# KiCad board uf2-batch-flasher.kicad_pcb (continued)
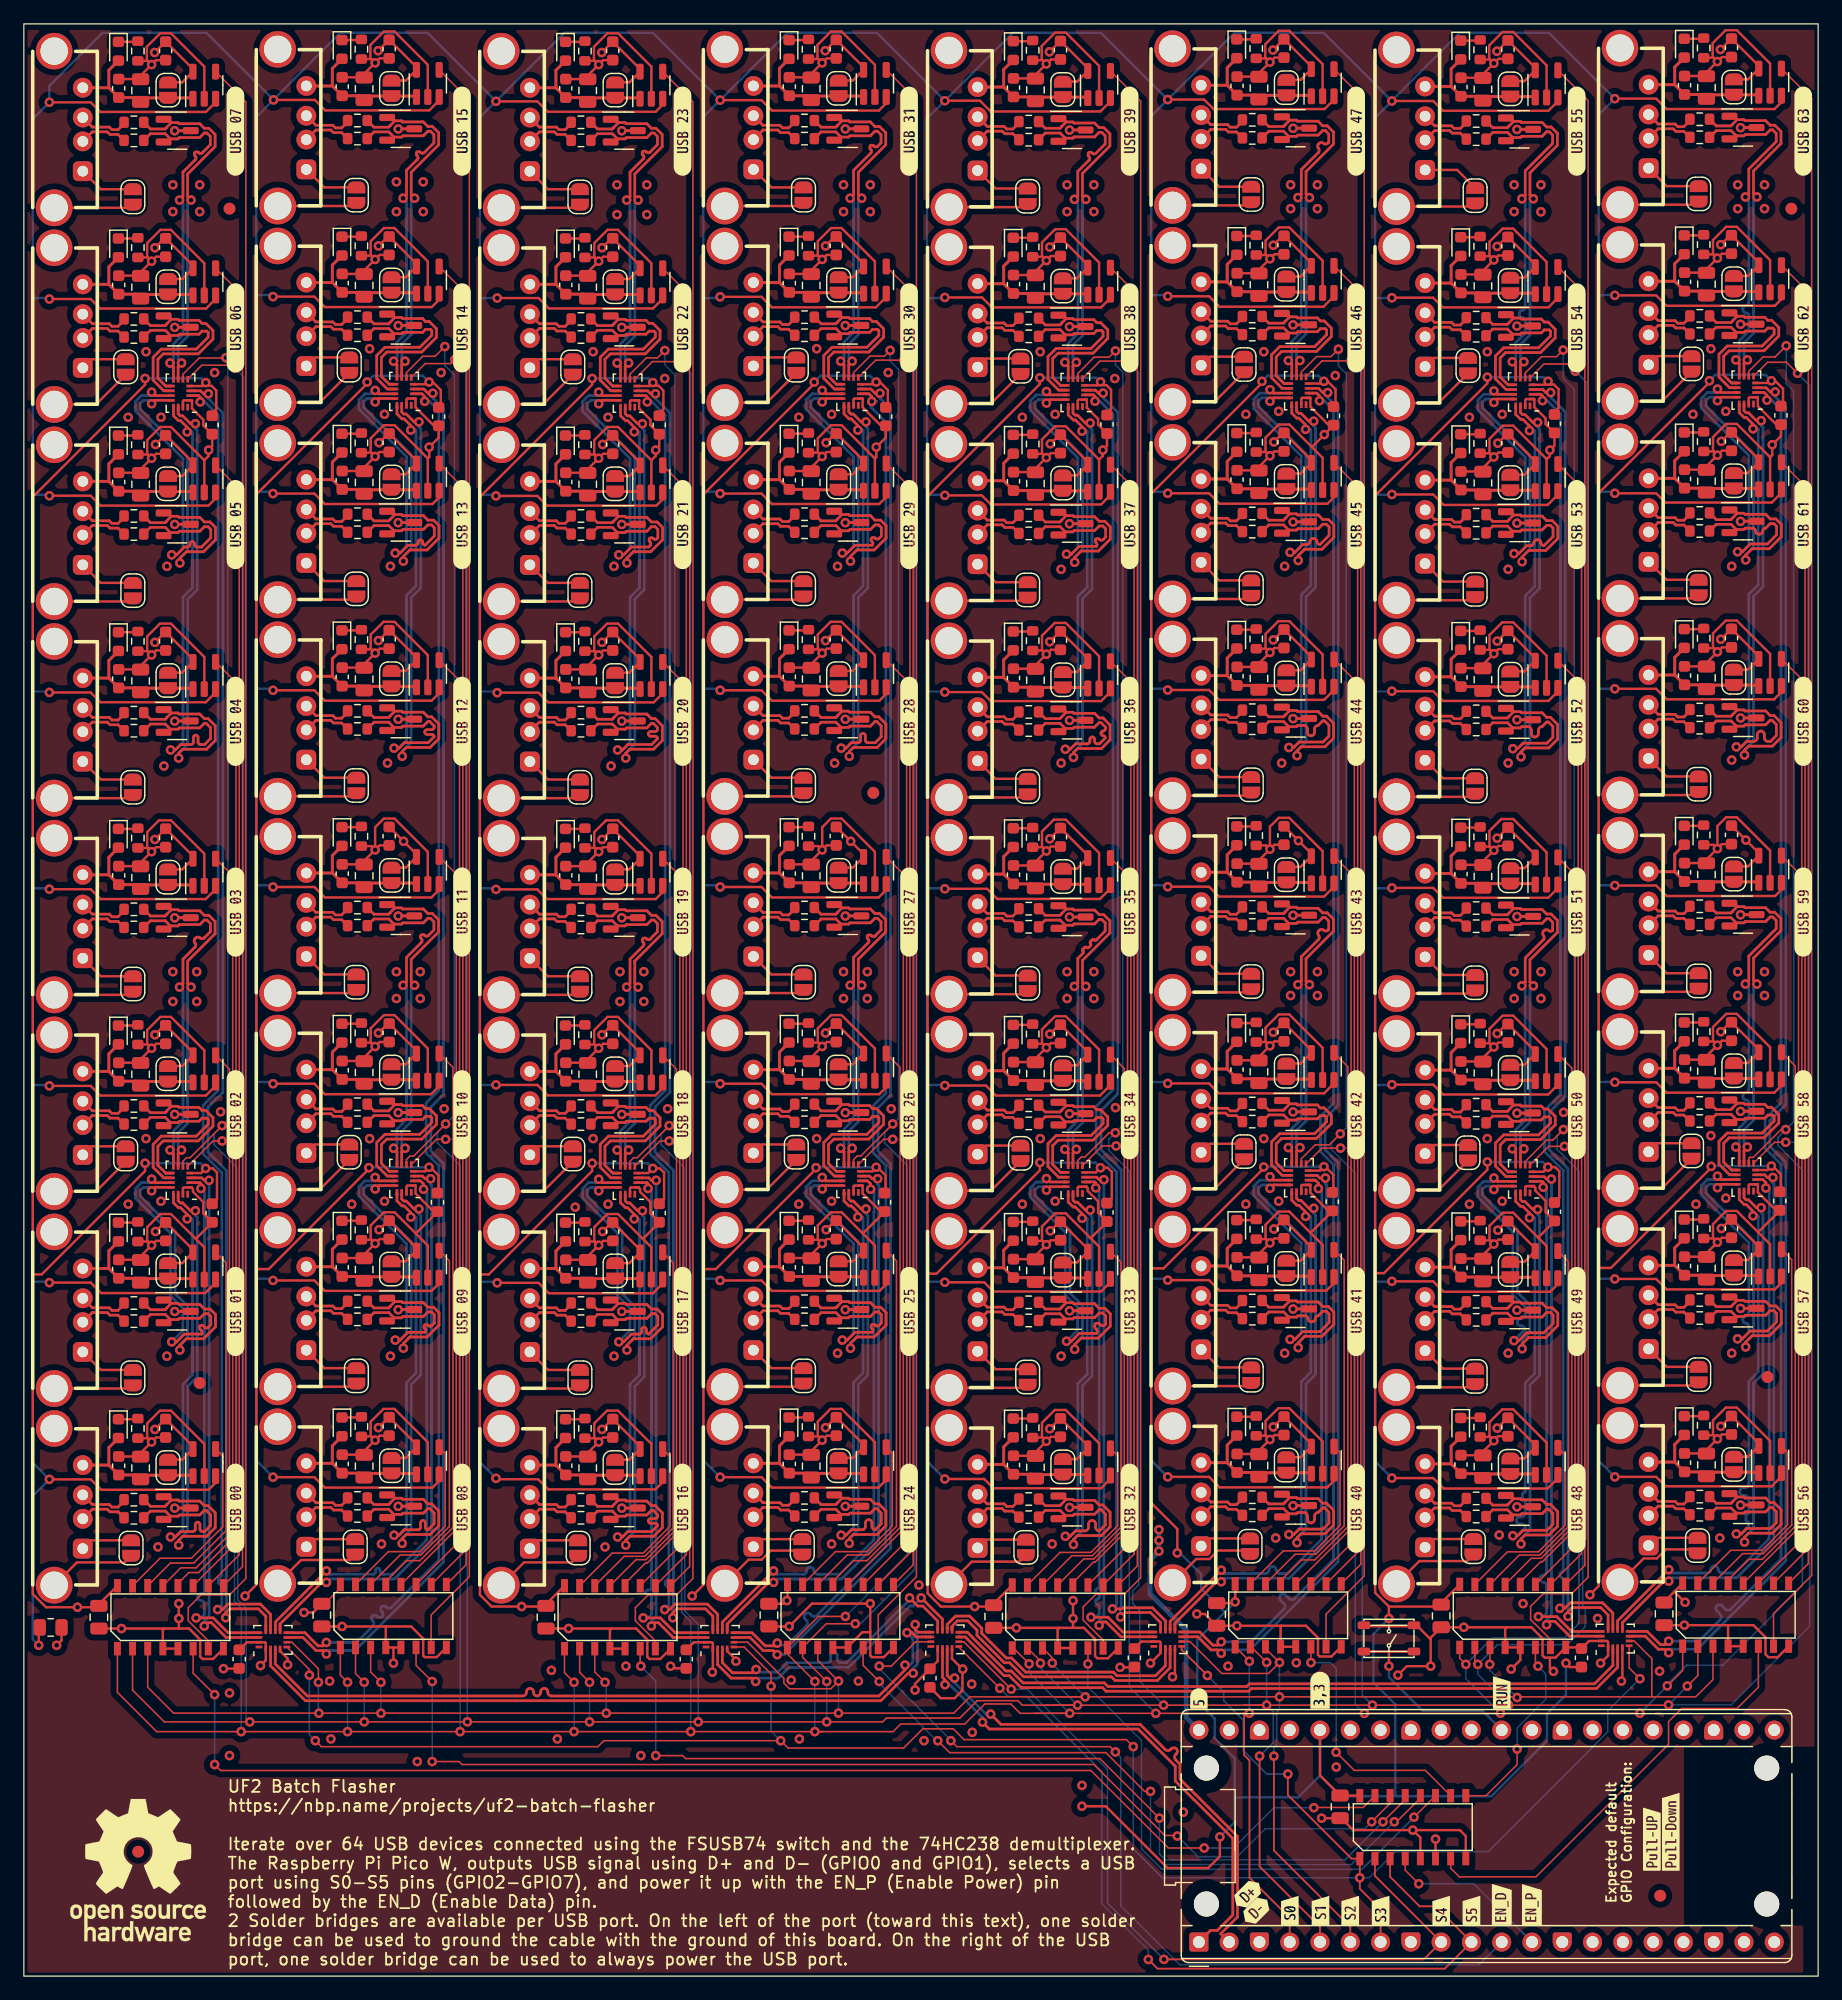
[diagram p0: board, top side]
## Routing (per net, layer and track width the routed paths; a pad name or vN(x,y) marks a point on that pad's centre or on a via; arc(x,y) is an arc through that point) (continued)
/16usb-ports0/4usb-port0/D0+: length 43.7
  Top w0.23: v1(13.7,63.52) 13.7,63.9 13.14,64.46 12.96,64.46 12.55,64.87 12.55,65.42 12.54,65.42 U301.13 ; v1(12.3,36.83) 12.7,36.83 13.16,37.29 14.18,37.29 arc(14.32,37.35) 14.38,37.49 14.38,37.88 arc(14.44,38.02) 14.58,38.08 arc(14.71,38.02) 14.77,37.88 14.77,37.49 arc(14.83,37.35) 14.97,37.29 15.16,37.29 15.66,37.79 15.66,38.7 15.29,39.07 15.14,39.07 14.75,38.68 13.04,38.68 12.93,38.57 12.29,38.57 ; 12.29,38.57 12.03,38.31 D402.2 ; 12.29,38.57 11.86,39.01 10.62,39.01 R403.2
  Bottom w0.23: v1(12.3,36.83) 12.7,36.83 13.35,37.47 13.35,49.64 14.15,50.44 14.15,63.48 14.1,63.52 v1(13.7,63.52)
/16usb-ports0/4usb-port0/D0-: length 43.9
  Top w0.23: v1(14.38,64.2) 13.98,64.2 13.32,64.86 13.12,64.86 12.94,65.03 U301.14 ; 12.37,39.93 12.93,39.93 13.02,39.84 14.75,39.84 15.14,39.46 15.46,39.46 16.06,38.86 16.06,37.63 15.32,36.9 13.32,36.9 12.98,36.55 v1(12.98,36.15) ; 12.37,39.93 12.09,40.21 D402.1 ; 12.37,39.93 11.97,39.54 11.97,39.52 11.85,39.4 10.62,39.4 R404.2
  Bottom w0.23: v1(14.38,64.2) 14.38,63.8 14.54,63.64 14.54,50.28 13.74,49.48 13.74,37.31 12.98,36.55 v1(12.98,36.15)
/16usb-ports0/4usb-port0/D1+: length 30.7
  Top w0.23: 12.29,55.07 11.86,55.5 10.62,55.5 R503.2 ; 12.29,55.07 12.93,55.07 13.04,55.18 14.76,55.18 15.14,55.56 15.45,55.56 15.68,55.33 15.68,54.63 15.47,54.41 arc(15.33,54.35) 15.19,54.41 15.06,54.54 arc(14.92,54.6) 14.78,54.54 arc(14.72,54.4) 14.78,54.26 14.91,54.13 arc(14.96,53.99) 14.91,53.85 13.46,53.85 12.8,53.2 v1(12.4,53.2) ; 12.29,55.07 12.03,54.81 D502.2 ; v1(10.72,66.84) 11,66.55 12.37,66.55 U301.11
  Bottom w0.23: v1(10.72,66.84) 10.43,66.55 9.86,66.55 9.36,66.05 9.36,65.26 12.29,62.33 12.29,57.07 13.33,56.03 13.33,54.13 v1(12.4,53.2)
/16usb-ports0/4usb-port0/D1-: length 31
  Top w0.23: R504.2 10.62,55.9 11.85,55.9 11.97,56.02 11.97,56.03 12.37,56.43 ; v1(10.72,65.87) 11,66.16 12.37,66.16 U301.12 ; 12.37,56.43 12.09,56.71 D502.1 ; 12.37,56.43 12.93,56.43 13.02,56.34 14.76,56.34 15.14,55.96 15.62,55.96 16.07,55.5 16.07,54.46 15.07,53.46 13.62,53.46 13.08,52.92 v1(13.08,52.52)
  Bottom w0.23: v1(10.72,65.87) 10.43,66.16 10.02,66.16 9.76,65.89 9.76,65.42 12.69,62.49 12.69,57.23 13.74,56.18 13.74,53.57 13.08,52.92 v1(13.08,52.52)
/16usb-ports0/4usb-port0/D2+: length 16.2
  Top w0.23: 12.29,71.6 11.86,72.03 10.62,72.03 R603.2 ; 12.29,71.6 12.93,71.6 13.04,71.71 14.69,71.71 14.94,71.96 15.36,71.96 15.47,71.85 15.47,71.46 14.46,70.45 11.53,70.45 10.85,69.77 10.85,67.85 11.73,66.96 11.95,66.96 11.95,66.96 U301.10 ; 12.29,71.6 12.03,71.34 D602.2
/16usb-ports0/4usb-port0/D2-: length 16.5
  Top w0.23: R604.2 10.62,72.42 11.85,72.42 11.97,72.55 11.97,72.56 12.37,72.96 ; 12.37,72.96 12.09,73.24 D602.1 ; 12.37,72.96 12.93,72.96 13.02,72.87 14.69,72.87 14.94,72.62 15.26,72.62 15.86,72.01 15.86,71.3 14.62,70.06 11.7,70.06 11.24,69.6 11.24,68.01 11.9,67.35 11.95,67.35 11.95,67.36 U301.9
/16usb-ports0/4usb-port0/D3+: length 29.7
  Top w0.23: U301.8 12.55,67.93 12.55,69 v1(12.26,69.29) ; D702.2 12.03,87.83 12.29,88.09 ; 12.29,88.09 12.93,88.09 13.04,88.2 14.75,88.2 15.14,88.58 15.35,88.58 15.65,88.29 15.65,87.6 15.13,87.08 arc(14.95,87.01) 14.78,87.08 arc(14.6,87.16) 14.42,87.08 14.35,87.01 arc(14.28,86.84) 14.35,86.66 arc(14.42,86.48) 14.35,86.31 13.35,85.3 13.35,83.24 v1(13.06,82.96) ; 12.29,88.09 11.86,88.52 10.62,88.52 R703.2
  Bottom w0.23: v1(12.26,69.29) 12.55,69.57 12.55,70.89 13.35,71.69 13.35,82.67 v1(13.06,82.96)
/16usb-ports0/4usb-port0/D3-: length 29.9
  Top w0.23: 12.37,89.45 12.93,89.45 13.02,89.36 14.75,89.36 15.14,88.98 15.52,88.98 16.04,88.45 16.04,87.44 13.74,85.14 13.74,83.24 v1(14.03,82.96) ; 12.37,89.45 12.09,89.73 D702.1 ; 12.37,89.45 11.97,89.05 11.97,89.04 11.85,88.92 10.62,88.92 R704.2 ; v1(13.23,69.29) 12.94,69 12.94,67.93 U301.7
  Bottom w0.23: v1(13.23,69.29) 12.94,69.57 12.94,70.73 13.74,71.53 13.74,82.67 v1(14.03,82.96)
/16usb-ports0/4usb-port0/D+: length 44.5
  Top w0.23: v1(14.85,66.07) 14.85,66.47 14.76,66.56 14.34,66.56 14.33,66.56 U301.2 ; U201.13 19.3,28.81 19.3,28.8 17.13,28.8 15.88,30.05 v1(14.45,30.05)
  Bottom w0.23: v1(14.45,30.05) 14.85,30.05 15.14,30.33 15.14,31.23 arc(15.06,31.42) 14.87,31.5 14.85,31.5 arc(14.66,31.59) 14.58,31.78 arc(14.66,31.97) 14.85,32.06 14.87,32.06 arc(15.06,32.14) 15.14,32.33 15.14,65.78 v1(14.85,66.07)
/16usb-ports0/4usb-port0/D-: length 44.5
  Top w0.23: U201.14 19.3,28.41 19.3,28.41 16.96,28.41 15.72,29.65 15.42,29.65 v1(15.13,29.37) ; U301.3 14.33,66.96 14.34,66.95 14.93,66.95 15.13,66.75 v1(15.54,66.75)
  Bottom w0.23: v1(15.13,29.37) 15.13,29.77 15.54,30.17 v1(15.54,66.75)
/16usb-ports0/4usb-port0/usb-port0/Conn_D+: length 4.1
  Top w0.23: R403.1 7.9,38.95 7.22,38.95 7,39.17 5.75,39.17 J401.3
/16usb-ports0/4usb-port0/usb-port0/Conn_D-: length 4.2
  Top w0.23: R404.1 8.41,39.85 7.9,39.34 7.38,39.34 7.17,39.56 5.75,39.56 J401.2
/16usb-ports0/4usb-port0/usb-port1/Conn_D+: length 4.1
  Top w0.23: J501.3 5.75,55.66 7,55.66 7.22,55.44 7.9,55.44 R503.1
/16usb-ports0/4usb-port0/usb-port1/Conn_D-: length 4.2
  Top w0.23: R504.1 8.41,56.34 7.9,55.84 7.38,55.84 7.17,56.05 5.75,56.05 J501.2
/16usb-ports0/4usb-port0/usb-port2/Conn_D+: length 4.1
  Top w0.23: R603.1 7.9,71.97 7.22,71.97 7,72.19 5.75,72.19 J601.3
/16usb-ports0/4usb-port0/usb-port2/Conn_D-: length 4.2
  Top w0.23: J601.2 5.75,72.58 7.17,72.58 7.38,72.37 7.9,72.37 8.41,72.87 R604.1
/16usb-ports0/4usb-port0/usb-port3/Conn_D+: length 4.1
  Top w0.23: J701.3 5.75,88.68 7,88.68 7.22,88.46 7.9,88.46 R703.1
/16usb-ports0/4usb-port0/usb-port3/Conn_D-: length 4.2
  Top w0.23: R704.1 8.41,89.36 7.9,88.86 7.38,88.86 7.17,89.07 5.75,89.07 J701.2
/16usb-ports0/4usb-port1/D0+: length 43.7
  Top w0.23: 12.29,104.59 12.03,104.33 D1002.2 ; 12.29,104.59 12.93,104.59 13.04,104.7 14.75,104.7 15.14,105.08 15.29,105.08 15.66,104.71 15.66,103.8 15.16,103.3 14.81,103.3 arc(14.67,103.36) 14.61,103.5 14.61,103.89 arc(14.55,104.03) 14.41,104.09 arc(14.28,104.03) 14.22,103.89 14.22,103.5 arc(14.16,103.36) 14.02,103.3 13.16,103.3 12.7,102.85 v1(12.3,102.85) ; 12.29,104.59 11.86,105.02 10.62,105.02 R1003.2 ; v1(13.7,129.53) 13.7,129.91 13.14,130.47 12.96,130.47 12.55,130.89 12.55,131.43 12.54,131.43 U801.13
  Bottom w0.23: v1(13.7,129.53) 14.1,129.53 14.15,129.49 14.15,116.45 13.35,115.65 13.35,103.49 12.7,102.85 v1(12.3,102.85)
/16usb-ports0/4usb-port1/D0-: length 43.9
  Top w0.23: R1004.2 10.62,105.42 11.85,105.42 11.97,105.54 11.97,105.55 12.37,105.95 ; U801.14 12.94,131.05 13.12,130.87 13.32,130.87 13.98,130.21 v1(14.38,130.21) ; 12.37,105.95 12.09,106.23 D1002.1 ; 12.37,105.95 12.93,105.95 13.02,105.86 14.75,105.86 15.14,105.48 15.46,105.48 16.06,104.88 16.06,103.64 15.32,102.91 13.32,102.91 12.98,102.57 v1(12.98,102.17)
  Bottom w0.23: v1(14.38,130.21) 14.38,129.81 14.54,129.65 14.54,116.29 13.74,115.49 13.74,103.33 12.98,102.57 v1(12.98,102.17)
/16usb-ports0/4usb-port1/D1+: length 30.7
  Top w0.23: v1(10.72,132.85) 11,132.57 12.37,132.57 U801.11 ; D902.2 12.03,120.82 12.29,121.08 ; 12.29,121.08 11.86,121.52 10.62,121.52 R903.2 ; 12.29,121.08 12.93,121.08 13.04,121.19 14.76,121.19 15.14,121.58 15.45,121.58 15.68,121.35 15.68,120.64 14.91,119.87 14.52,119.87 arc(14.38,119.93) 14.32,120.07 14.32,120.12 arc(14.26,120.26) 14.12,120.32 arc(13.99,120.26) 13.93,120.12 13.93,120.07 arc(13.87,119.93) 13.73,119.87 13.46,119.87 12.8,119.21 v1(12.4,119.21)
  Bottom w0.23: v1(10.72,132.85) 10.43,132.57 9.86,132.57 9.36,132.07 9.36,131.27 13.34,127.29 13.34,119.75 12.8,119.21 v1(12.4,119.21)
/16usb-ports0/4usb-port1/D1-: length 31
  Top w0.23: U801.12 12.37,132.17 11,132.17 v1(10.72,131.89) ; 12.37,122.44 11.97,122.04 11.97,122.03 11.85,121.91 10.62,121.91 R904.2 ; 12.37,122.44 12.93,122.44 13.02,122.35 14.76,122.35 15.14,121.97 15.62,121.97 16.07,121.51 16.07,120.48 15.07,119.47 13.62,119.47 13.08,118.93 v1(13.08,118.53) ; 12.37,122.44 12.09,122.72 D902.1
  Bottom w0.23: v1(13.08,118.53) 13.08,118.93 13.74,119.59 13.74,127.46 9.76,131.44 9.76,131.9 10.02,132.17 10.43,132.17 v1(10.72,131.89)
/16usb-ports0/4usb-port1/D2+: length 16.2
  Top w0.23: 12.29,137.61 11.86,138.04 10.62,138.04 R1103.2 ; 12.29,137.61 12.03,137.35 D1102.2 ; 12.29,137.61 12.93,137.61 13.04,137.72 14.69,137.72 14.94,137.97 15.36,137.97 15.47,137.86 15.47,137.47 14.46,136.47 11.53,136.47 10.85,135.78 10.85,133.86 11.73,132.97 11.95,132.97 11.95,132.97 U801.10
/16usb-ports0/4usb-port1/D2-: length 16.5
  Top w0.23: D1102.1 12.09,139.25 12.37,138.97 ; R1104.2 10.62,138.44 11.85,138.44 11.97,138.56 11.97,138.57 12.37,138.97 ; 12.37,138.97 12.93,138.97 13.02,138.88 14.69,138.88 14.94,138.63 15.26,138.63 15.86,138.03 15.86,137.31 14.62,136.07 11.7,136.07 11.24,135.62 11.24,134.03 11.9,133.37 11.95,133.37 11.95,133.37 U801.9
/16usb-ports0/4usb-port1/D3+: length 29.7
  Top w0.23: v1(13.06,148.97) 13.35,149.26 13.35,151.32 14.39,152.37 arc(14.45,152.5) 14.39,152.64 14.35,152.69 arc(14.3,152.83) 14.35,152.97 arc(14.49,153.02) 14.63,152.97 14.67,152.92 arc(14.81,152.87) 14.95,152.92 15.65,153.62 15.65,154.3 15.35,154.6 15.14,154.6 14.75,154.21 13.04,154.21 12.93,154.1 12.29,154.1 ; 12.29,154.1 12.03,153.84 D1202.2 ; 12.29,154.1 11.86,154.54 10.62,154.54 R1203.2 ; v1(12.26,135.3) 12.55,135.02 12.55,133.94 U801.8
  Bottom w0.23: v1(12.26,135.3) 12.55,135.59 12.55,136.9 13.35,137.7 13.35,148.69 v1(13.06,148.97)
/16usb-ports0/4usb-port1/D3-: length 29.9
  Top w0.23: D1202.1 12.09,155.74 12.37,155.46 ; 12.37,155.46 12.93,155.46 13.02,155.37 14.75,155.37 15.14,154.99 15.52,154.99 16.04,154.47 16.04,153.45 13.74,151.15 13.74,149.26 v1(14.03,148.97) ; 12.37,155.46 11.97,155.06 11.97,155.05 11.85,154.93 10.62,154.93 R1204.2 ; U801.7 12.94,133.94 12.94,135.02 v1(13.23,135.3)
  Bottom w0.23: v1(13.23,135.3) 12.94,135.59 12.94,136.74 13.74,137.54 13.74,148.69 v1(14.03,148.97)
/16usb-ports0/4usb-port1/D+: length 111.4
  Top w0.23: v1(14.79,132.04) 14.79,132.44 14.66,132.57 14.34,132.57 14.33,132.57 U801.2 ; U201.11 20.69,29.4 20.69,29.4 20.69,30.35 19.84,31.2 17.11,31.2 16.65,30.75 v1(16.25,30.75)
  Bottom w0.23: v1(16.25,30.75) 16.59,31.09 16.59,32.73 16.32,33 16.32,33.35 16.59,33.62 16.59,67.41 15.04,68.96 15.04,73.04 16.3,74.3 16.3,130.94 15.2,132.04 v1(14.79,132.04)
/16usb-ports0/4usb-port1/D-: length 111.4
  Top w0.23: U201.12 20.29,29.4 20.3,29.4 20.3,30.19 19.67,30.81 17.27,30.81 16.93,30.47 v1(16.93,30.07) ; v1(15.47,132.72) 15.07,132.72 14.83,132.97 14.34,132.97 14.33,132.97 U801.3
  Bottom w0.23: v1(15.47,132.72) 15.47,132.32 16.69,131.1 16.69,74.13 15.44,72.88 15.44,69.12 16.99,67.57 16.99,30.93 16.93,30.87 v1(16.93,30.07)
/16usb-ports0/4usb-port1/usb-port0/Conn_D+: length 4.1
  Top w0.23: J1001.3 5.75,105.18 7,105.18 7.22,104.96 7.9,104.96 R1003.1
/16usb-ports0/4usb-port1/usb-port0/Conn_D-: length 4.2
  Top w0.23: R1004.1 8.41,105.86 7.9,105.36 7.38,105.36 7.17,105.57 5.75,105.57 J1001.2
/16usb-ports0/4usb-port1/usb-port1/Conn_D+: length 4.1
  Top w0.23: J901.3 5.75,121.67 7,121.67 7.22,121.46 7.9,121.46 R903.1
/16usb-ports0/4usb-port1/usb-port1/Conn_D-: length 4.2
  Top w0.23: J901.2 5.75,122.07 7.17,122.07 7.38,121.85 7.9,121.85 8.41,122.36 R904.1
/16usb-ports0/4usb-port1/usb-port2/Conn_D+: length 4.1
  Top w0.23: R1103.1 7.9,137.98 7.22,137.98 7,138.2 5.75,138.2 J1101.3
/16usb-ports0/4usb-port1/usb-port2/Conn_D-: length 4.2
  Top w0.23: R1104.1 8.41,138.88 7.9,138.38 7.38,138.38 7.17,138.6 5.75,138.6 J1101.2
/16usb-ports0/4usb-port1/usb-port3/Conn_D+: length 4.1
  Top w0.23: J1201.3 5.75,154.69 7,154.69 7.22,154.48 7.9,154.48 R1203.1
/16usb-ports0/4usb-port1/usb-port3/Conn_D-: length 4.2
  Top w0.23: J1201.2 5.75,155.09 7.17,155.09 7.38,154.87 7.9,154.87 8.41,155.38 R1204.1
/16usb-ports0/4usb-port2/D0+: length 43.7
  Top w0.23: U1301.13 31.29,65.57 31.3,65.57 31.3,65.02 31.71,64.61 31.89,64.61 32.45,64.05 v1(32.45,63.67) ; v1(31.05,36.98) 31.45,36.98 31.91,37.44 33.08,37.44 arc(33.22,37.5) 33.28,37.64 33.28,38.03 arc(33.34,38.17) 33.48,38.23 arc(33.61,38.17) 33.67,38.03 33.67,37.64 arc(33.73,37.5) 33.87,37.44 33.91,37.44 34.41,37.94 34.41,38.85 34.04,39.22 33.89,39.22 33.5,38.83 31.79,38.83 31.68,38.72 31.04,38.72 ; R1603.2 29.37,39.16 30.61,39.16 31.04,38.72 ; 31.04,38.72 30.78,38.46 D1602.2
  Bottom w0.23: v1(31.05,36.98) 31.45,36.98 32.1,37.62 32.1,49.79 32.9,50.59 32.9,63.63 32.85,63.67 v1(32.45,63.67)
/16usb-ports0/4usb-port2/D0-: length 43.9
  Top w0.23: 31.12,40.08 30.72,39.69 30.72,39.67 30.6,39.55 29.37,39.55 R1604.2 ; 31.12,40.08 31.68,40.08 31.77,39.99 33.5,39.99 33.89,39.61 34.21,39.61 34.81,39.01 34.81,37.78 34.07,37.05 32.07,37.05 31.73,36.7 v1(31.73,36.3) ; 31.12,40.08 30.84,40.36 D1602.1 ; v1(33.13,64.35) 32.73,64.35 32.07,65.01 31.87,65.01 31.69,65.18 U1301.14
  Bottom w0.23: v1(31.73,36.3) 31.73,36.7 32.49,37.46 32.49,49.63 33.29,50.43 33.29,63.79 33.13,63.95 v1(33.13,64.35)
/16usb-ports0/4usb-port2/D1+: length 30.7
  Top w0.23: D1702.2 30.78,54.96 31.04,55.22 ; 31.04,55.22 30.61,55.65 29.37,55.65 R1703.2 ; 31.04,55.22 31.68,55.22 31.79,55.33 33.51,55.33 33.89,55.71 34.2,55.71 34.43,55.48 34.43,54.78 34.22,54.56 arc(34.08,54.5) 33.94,54.56 33.89,54.6 arc(33.76,54.66) 33.62,54.6 arc(33.56,54.46) 33.62,54.32 33.66,54.28 arc(33.71,54.14) 33.66,54 32.21,54 31.55,53.35 v1(31.15,53.35) ; U1301.11 31.12,66.7 29.75,66.7 v1(29.47,66.99)
  Bottom w0.23: v1(29.47,66.99) 29.18,66.7 28.61,66.7 28.11,66.2 28.11,65.41 32.09,61.43 32.09,53.89 31.55,53.35 v1(31.15,53.35)
/16usb-ports0/4usb-port2/D1-: length 31
  Top w0.23: v1(31.83,52.67) 31.83,53.07 32.37,53.61 33.82,53.61 34.82,54.61 34.82,55.65 34.37,56.11 33.89,56.11 33.51,56.49 31.77,56.49 31.68,56.58 31.12,56.58 ; 31.12,56.58 30.72,56.18 30.72,56.17 30.6,56.05 29.37,56.05 R1704.2 ; 31.12,56.58 30.84,56.86 D1702.1 ; v1(29.47,66.02) 29.75,66.31 31.12,66.31 U1301.12
  Bottom w0.23: v1(29.47,66.02) 29.18,66.31 28.77,66.31 28.51,66.04 28.51,65.57 32.49,61.59 32.49,53.72 31.83,53.07 v1(31.83,52.67)
/16usb-ports0/4usb-port2/D2+: length 16.2
  Top w0.23: D1402.2 30.78,71.49 31.04,71.75 ; U1301.10 30.7,67.11 30.7,67.11 30.48,67.11 29.6,68 29.6,69.92 30.28,70.6 33.21,70.6 34.22,71.61 34.22,72 34.11,72.11 33.69,72.11 33.44,71.86 31.79,71.86 31.68,71.75 31.04,71.75 ; 31.04,71.75 30.61,72.18 29.37,72.18 R1403.2
/16usb-ports0/4usb-port2/D2-: length 16.5
  Top w0.23: 31.12,73.11 31.68,73.11 31.77,73.02 33.44,73.02 33.69,72.77 34.01,72.77 34.61,72.16 34.61,71.45 33.37,70.21 30.45,70.21 29.99,69.75 29.99,68.16 30.65,67.5 30.7,67.5 30.7,67.51 U1301.9 ; 31.12,73.11 30.84,73.39 D1402.1 ; 31.12,73.11 30.72,72.71 30.72,72.7 30.6,72.57 29.37,72.57 R1404.2
/16usb-ports0/4usb-port2/D3+: length 29.7
  Top w0.23: R1503.2 29.37,88.67 30.61,88.67 31.04,88.24 ; 31.04,88.24 31.68,88.24 31.79,88.35 33.5,88.35 33.89,88.73 34.1,88.73 34.4,88.44 34.4,87.75 33.92,87.27 arc(33.78,87.21) 33.64,87.27 33.59,87.31 arc(33.46,87.37) 33.32,87.31 arc(33.26,87.17) 33.32,87.03 33.36,86.99 arc(33.41,86.85) 33.36,86.71 32.1,85.45 32.1,83.39 v1(31.81,83.11) ; 31.04,88.24 30.78,87.98 D1502.2 ; v1(31.01,69.44) 31.3,69.15 31.3,68.08 U1301.8
  Bottom w0.23: v1(31.81,83.11) 32.1,82.82 32.1,71.84 31.3,71.04 31.3,69.72 v1(31.01,69.44)
/16usb-ports0/4usb-port2/D3-: length 29.9
  Top w0.23: D1502.1 30.84,89.88 31.12,89.6 ; v1(32.78,83.11) 32.49,83.39 32.49,85.29 34.79,87.59 34.79,88.6 34.27,89.13 33.89,89.13 33.5,89.51 31.77,89.51 31.68,89.6 31.12,89.6 ; 31.12,89.6 30.72,89.2 30.72,89.19 30.6,89.07 29.37,89.07 R1504.2 ; v1(31.98,69.44) 31.69,69.15 31.69,68.08 U1301.7
  Bottom w0.23: v1(31.98,69.44) 31.69,69.72 31.69,70.88 32.49,71.68 32.49,82.82 v1(32.78,83.11)
/16usb-ports0/4usb-port2/D+: length 48.2
  Top w0.23: v1(25.38,33.99) 21.1,29.71 21.1,29.4 21.09,29.4 U201.10 ; v1(33.53,66) 33.53,66.45 33.27,66.71 33.09,66.71 33.08,66.71 U1301.2
  Bottom w0.23: v1(25.38,33.99) 25.67,33.71 29.29,33.71 arc(29.43,33.76) 29.49,33.9 29.49,34.02 arc(29.55,34.16) 29.69,34.22 arc(29.82,34.16) 29.88,34.02 29.88,33.9 arc(29.94,33.76) 30.08,33.71 30.91,33.71 33.8,36.59 33.8,64.05 33.81,64.07 33.81,65.72 v1(33.53,66)
/16usb-ports0/4usb-port2/D-: length 48.2
  Top w0.23: v1(34.12,66.88) 33.65,66.88 33.43,67.1 33.09,67.1 33.08,67.11 U1301.3 ; U201.9 21.49,29.4 21.49,29.4 21.49,29.54 24.97,33.03 v1(25.38,33.03)
  Bottom w0.23: v1(34.12,66.88) 34.12,66.42 34.21,66.33 34.21,63.9 34.19,63.88 34.19,36.43 31.08,33.31 25.67,33.31 v1(25.38,33.03)
/16usb-ports0/4usb-port2/usb-port0/Conn_D+: length 4.1
  Top w0.23: R1603.1 26.65,39.1 25.97,39.1 25.75,39.32 24.5,39.32 J1601.3
/16usb-ports0/4usb-port2/usb-port0/Conn_D-: length 4.2
  Top w0.23: J1601.2 24.5,39.71 25.92,39.71 26.13,39.49 26.65,39.49 27.16,40 R1604.1
/16usb-ports0/4usb-port2/usb-port1/Conn_D+: length 4.1
  Top w0.23: R1703.1 26.65,55.59 25.97,55.59 25.75,55.81 24.5,55.81 J1701.3
/16usb-ports0/4usb-port2/usb-port1/Conn_D-: length 4.2
  Top w0.23: R1704.1 27.16,56.49 26.65,55.99 26.13,55.99 25.92,56.2 24.5,56.2 J1701.2
/16usb-ports0/4usb-port2/usb-port2/Conn_D+: length 4.1
  Top w0.23: J1401.3 24.5,72.34 25.75,72.34 25.97,72.12 26.65,72.12 R1403.1
/16usb-ports0/4usb-port2/usb-port2/Conn_D-: length 4.2
  Top w0.23: R1404.1 27.16,73.02 26.65,72.52 26.13,72.52 25.92,72.73 24.5,72.73 J1401.2
/16usb-ports0/4usb-port2/usb-port3/Conn_D+: length 4.1
  Top w0.23: J1501.3 24.5,88.83 25.75,88.83 25.97,88.61 26.65,88.61 R1503.1
/16usb-ports0/4usb-port2/usb-port3/Conn_D-: length 4.2
  Top w0.23: R1504.1 27.16,89.51 26.65,89.01 26.13,89.01 25.92,89.22 24.5,89.22 J1501.2
/16usb-ports0/4usb-port3/D0+: length 43.7
  Top w0.23: v1(31.05,103) 31.45,103 31.91,103.45 33.91,103.45 34.41,103.95 arc(34.35,104.09) 34.21,104.15 33.82,104.15 arc(33.68,104.21) 33.62,104.35 arc(33.68,104.49) 33.82,104.55 34.21,104.55 arc(34.35,104.6) 34.41,104.74 34.41,104.86 34.04,105.23 33.89,105.23 33.5,104.85 31.79,104.85 31.68,104.74 31.04,104.74 ; U1801.13 31.29,131.58 31.3,131.58 31.3,131.04 31.71,130.62 31.89,130.62 32.45,130.06 v1(32.45,129.68) ; 31.04,104.74 30.78,104.48 D2202.2 ; 31.04,104.74 30.61,105.17 29.37,105.17 R2203.2
  Bottom w0.23: v1(31.05,103) 31.45,103 32.1,103.64 32.1,115.8 32.9,116.6 32.9,129.64 32.85,129.68 v1(32.45,129.68)
/16usb-ports0/4usb-port3/D0-: length 43.9
  Top w0.23: U1801.14 31.69,131.2 31.87,131.02 32.07,131.02 32.73,130.36 v1(33.13,130.36) ; D2202.1 30.84,106.38 31.12,106.1 ; 31.12,106.1 30.72,105.7 30.72,105.69 30.6,105.57 29.37,105.57 R2204.2 ; 31.12,106.1 31.68,106.1 31.77,106.01 33.5,106.01 33.89,105.63 34.21,105.63 34.81,105.03 34.81,103.79 34.07,103.06 32.07,103.06 31.73,102.72 v1(31.73,102.32)
  Bottom w0.23: v1(33.13,130.36) 33.13,129.96 33.29,129.8 33.29,116.44 32.49,115.64 32.49,103.48 31.73,102.72 v1(31.73,102.32)
/16usb-ports0/4usb-port3/D1+: length 30.7
  Top w0.23: 31.04,121.23 30.78,120.97 D2102.2 ; 31.04,121.23 31.68,121.23 31.79,121.34 33.51,121.34 33.89,121.73 34.2,121.73 34.43,121.5 34.43,120.79 33.66,120.02 arc(33.52,120.08) 33.46,120.22 33.46,120.27 arc(33.4,120.41) 33.26,120.47 arc(33.12,120.41) 33.06,120.27 33.06,120.22 arc(33.01,120.08) 32.87,120.02 32.21,120.02 31.55,119.36 v1(31.15,119.36) ; 31.04,121.23 30.61,121.67 29.37,121.67 R2103.2 ; v1(29.47,133) 29.75,132.72 31.12,132.72 U1801.11
  Bottom w0.23: v1(29.47,133) 29.18,132.72 28.61,132.72 28.11,132.22 28.11,131.42 32.09,127.44 32.09,119.9 31.55,119.36 v1(31.15,119.36)
/16usb-ports0/4usb-port3/D1-: length 31
  Top w0.23: D2102.1 30.84,122.87 31.12,122.59 ; 31.12,122.59 31.68,122.59 31.77,122.5 33.51,122.5 33.89,122.12 34.37,122.12 34.82,121.66 34.82,120.63 33.82,119.62 32.37,119.62 31.83,119.08 v1(31.83,118.68) ; 31.12,122.59 30.72,122.19 30.72,122.18 30.6,122.06 29.37,122.06 R2104.2 ; v1(29.47,132.04) 29.75,132.32 31.12,132.32 U1801.12
  Bottom w0.23: v1(31.83,118.68) 31.83,119.08 32.49,119.74 32.49,127.61 28.51,131.59 28.51,132.05 28.77,132.32 29.18,132.32 v1(29.47,132.04)
/16usb-ports0/4usb-port3/D2+: length 16.2
  Top w0.23: D2002.2 30.78,137.5 31.04,137.76 ; 31.04,137.76 31.68,137.76 31.79,137.87 33.44,137.87 33.69,138.12 34.11,138.12 34.22,138.01 34.22,137.62 33.21,136.62 30.28,136.62 29.6,135.93 29.6,134.01 30.48,133.12 30.7,133.12 30.7,133.12 U1801.10 ; 31.04,137.76 30.61,138.19 29.37,138.19 R2003.2
/16usb-ports0/4usb-port3/D2-: length 16.5
  Top w0.23: R2004.2 29.37,138.59 30.6,138.59 30.72,138.71 30.72,138.72 31.12,139.12 ; U1801.9 30.7,133.52 30.7,133.52 30.65,133.52 29.99,134.18 29.99,135.77 30.45,136.22 33.37,136.22 34.61,137.46 34.61,138.18 34.01,138.78 33.69,138.78 33.44,139.03 31.77,139.03 31.68,139.12 31.12,139.12 ; 31.12,139.12 30.84,139.4 D2002.1
/16usb-ports0/4usb-port3/D3+: length 29.7
  Top w0.23: v1(31.01,135.45) 31.3,135.17 31.3,134.09 U1801.8 ; 31.04,154.25 31.68,154.25 31.79,154.36 33.5,154.36 33.89,154.75 34.1,154.75 34.4,154.45 34.4,153.77 33.57,152.95 arc(33.44,152.89) 33.3,152.95 33.25,152.99 arc(33.11,153.04) 32.97,152.99 arc(32.92,152.85) 32.97,152.71 33.02,152.67 arc(33.07,152.53) 33.02,152.39 32.1,151.47 32.1,149.41 v1(31.81,149.12) ; 31.04,154.25 30.78,153.99 D1902.2 ; 31.04,154.25 30.61,154.69 29.37,154.69 R1903.2
  Bottom w0.23: v1(31.81,149.12) 32.1,148.84 32.1,137.85 31.3,137.05 31.3,135.74 v1(31.01,135.45)
/16usb-ports0/4usb-port3/D3-: length 29.9
  Top w0.23: D1902.1 30.84,155.89 31.12,155.61 ; R1904.2 29.37,155.08 30.6,155.08 30.72,155.2 30.72,155.21 31.12,155.61 ; v1(32.78,149.12) 32.49,149.41 32.49,151.3 34.79,153.6 34.79,154.62 34.27,155.14 33.89,155.14 33.5,155.52 31.77,155.52 31.68,155.61 31.12,155.61 ; U1801.7 31.69,134.09 31.69,135.17 v1(31.98,135.45)
  Bottom w0.23: v1(32.78,149.12) 32.49,148.84 32.49,137.69 31.69,136.89 31.69,135.74 v1(31.98,135.45)
/16usb-ports0/4usb-port3/D+: length 118
  Top w0.23: U201.8 22.48,28.81 22.49,28.8 23.57,28.8 24.67,27.7 25.09,27.7 v1(25.38,27.99) ; v1(33.62,132.08) 33.62,132.49 33.38,132.72 33.09,132.72 33.08,132.72 U1801.2
  Bottom w0.23: v1(33.62,132.08) 34.02,132.08 34.8,131.31 34.8,74.3 33.74,73.24 33.74,69.05 34.8,68 34.8,34.89 31.28,31.37 30.83,30.92 arc(30.64,30.84) 30.44,30.92 30.39,30.98 arc(30.2,31.06) 30.01,30.98 arc(29.93,30.78) 30.01,30.59 30.06,30.54 arc(30.14,30.35) 30.06,30.15 arc(29.87,30.07) 29.67,30.15 29.62,30.21 arc(29.43,30.29) 29.24,30.21 arc(29.16,30.01) 29.24,29.82 29.29,29.77 arc(29.37,29.57) 29.29,29.38 27.9,27.99 v1(25.38,27.99)
/16usb-ports0/4usb-port3/D-: length 118
  Top w0.23: U1801.3 33.08,133.12 33.09,133.12 33.55,133.12 33.9,132.76 v1(34.3,132.76) ; v1(25.38,27.02) 25.09,27.31 24.51,27.31 23.41,28.41 22.49,28.41 22.48,28.41 U201.7
  Bottom w0.23: v1(34.3,132.76) 34.3,132.36 35.19,131.47 35.19,73.94 34.14,72.89 34.14,69.21 35.19,68.16 35.19,34.73 27.77,27.31 25.66,27.31 v1(25.38,27.02)
/16usb-ports0/4usb-port3/usb-port0/Conn_D+: length 4.1
  Top w0.23: R2203.1 26.65,105.11 25.97,105.11 25.75,105.33 24.5,105.33 J2201.3
/16usb-ports0/4usb-port3/usb-port0/Conn_D-: length 4.2
  Top w0.23: R2204.1 27.16,106.01 26.65,105.51 26.13,105.51 25.92,105.72 24.5,105.72 J2201.2
/16usb-ports0/4usb-port3/usb-port1/Conn_D+: length 4.1
  Top w0.23: J2101.3 24.5,121.82 25.75,121.82 25.97,121.61 26.65,121.61 R2103.1
/16usb-ports0/4usb-port3/usb-port1/Conn_D-: length 4.2
  Top w0.23: J2101.2 24.5,122.22 25.92,122.22 26.13,122 26.65,122 27.16,122.51 R2104.1
/16usb-ports0/4usb-port3/usb-port2/Conn_D+: length 4.1
  Top w0.23: J2001.3 24.5,138.35 25.75,138.35 25.97,138.13 26.65,138.13 R2003.1
/16usb-ports0/4usb-port3/usb-port2/Conn_D-: length 4.2
  Top w0.23: J2001.2 24.5,138.75 25.92,138.75 26.13,138.53 26.65,138.53 27.16,139.03 R2004.1
/16usb-ports0/4usb-port3/usb-port3/Conn_D+: length 4.1
  Top w0.23: J1901.3 24.5,154.84 25.75,154.84 25.97,154.63 26.65,154.63 R1903.1
/16usb-ports0/4usb-port3/usb-port3/Conn_D-: length 4.2
  Top w0.23: R1904.1 27.16,155.53 26.65,155.02 26.13,155.02 25.92,155.24 24.5,155.24 J1901.2
/16usb-ports0/D+: length 63.6
  Top w0.23: U201.2 20.69,27.02 20.7,27.01 20.7,26.03 23.62,23.1 71.88,23.1 74.19,25.41 v1(74.59,25.41) ; U102.13 75.66,28.85 75.66,28.85 75.01,28.85 74.76,29.09 v1(74.76,29.5)
  Bottom w0.23: v1(74.76,29.5) 74.76,28.92 74.76,28.92 74.76,28.69 74.95,28.5 74.95,26.17 74.59,25.81 v1(74.59,25.41)
/16usb-ports0/D-: length 63.6
  Top w0.23: v1(73.91,26.09) 73.91,25.69 71.72,23.5 44.25,23.5 arc(44.04,23.59) 43.95,23.8 43.95,23.84 arc(43.86,24.06) 43.65,24.14 arc(43.44,24.06) 43.35,23.84 43.35,23.8 arc(43.26,23.59) 43.05,23.5 arc(42.84,23.59) 42.75,23.8 42.75,23.84 arc(42.66,24.06) 42.45,24.14 arc(42.24,24.06) 42.15,23.84 42.15,23.8 arc(42.06,23.59) 41.85,23.5 23.78,23.5 21.09,26.19 21.09,27.01 21.09,27.02 U201.3 ; v1(74.08,28.81) 74.48,28.81 74.84,28.45 75.66,28.45 75.66,28.45 U102.14
  Bottom w0.23: v1(73.91,26.09) 74.31,26.09 74.55,26.33 74.55,28.34 v1(74.08,28.81)
/16usb-ports0/EN_00: length 16.4
  Top w0.125: U401.4 16.69,43.6 16.69,37.69 14.05,35.05 11.42,35.05 U203.15
/16usb-ports0/EN_01: length 32.2
  Top w0.125: U501.4 16.97,59.82 16.97,37.37 14.25,34.65 12.29,34.65 U203.14
/16usb-ports0/EN_02: length 48
  Top w0.125: U203.13 13.16,34.25 14.45,34.25 17.24,37.04 17.24,76.07 U601.4
/16usb-ports0/EN_03: length 64
  Top w0.125: U203.12 12.93,32.94 13.84,33.85 14.65,33.85 17.52,36.72 17.52,92.29 U701.4